# KiCad board panel_32x32_1515_r0.1.kicad_pcb (continued)
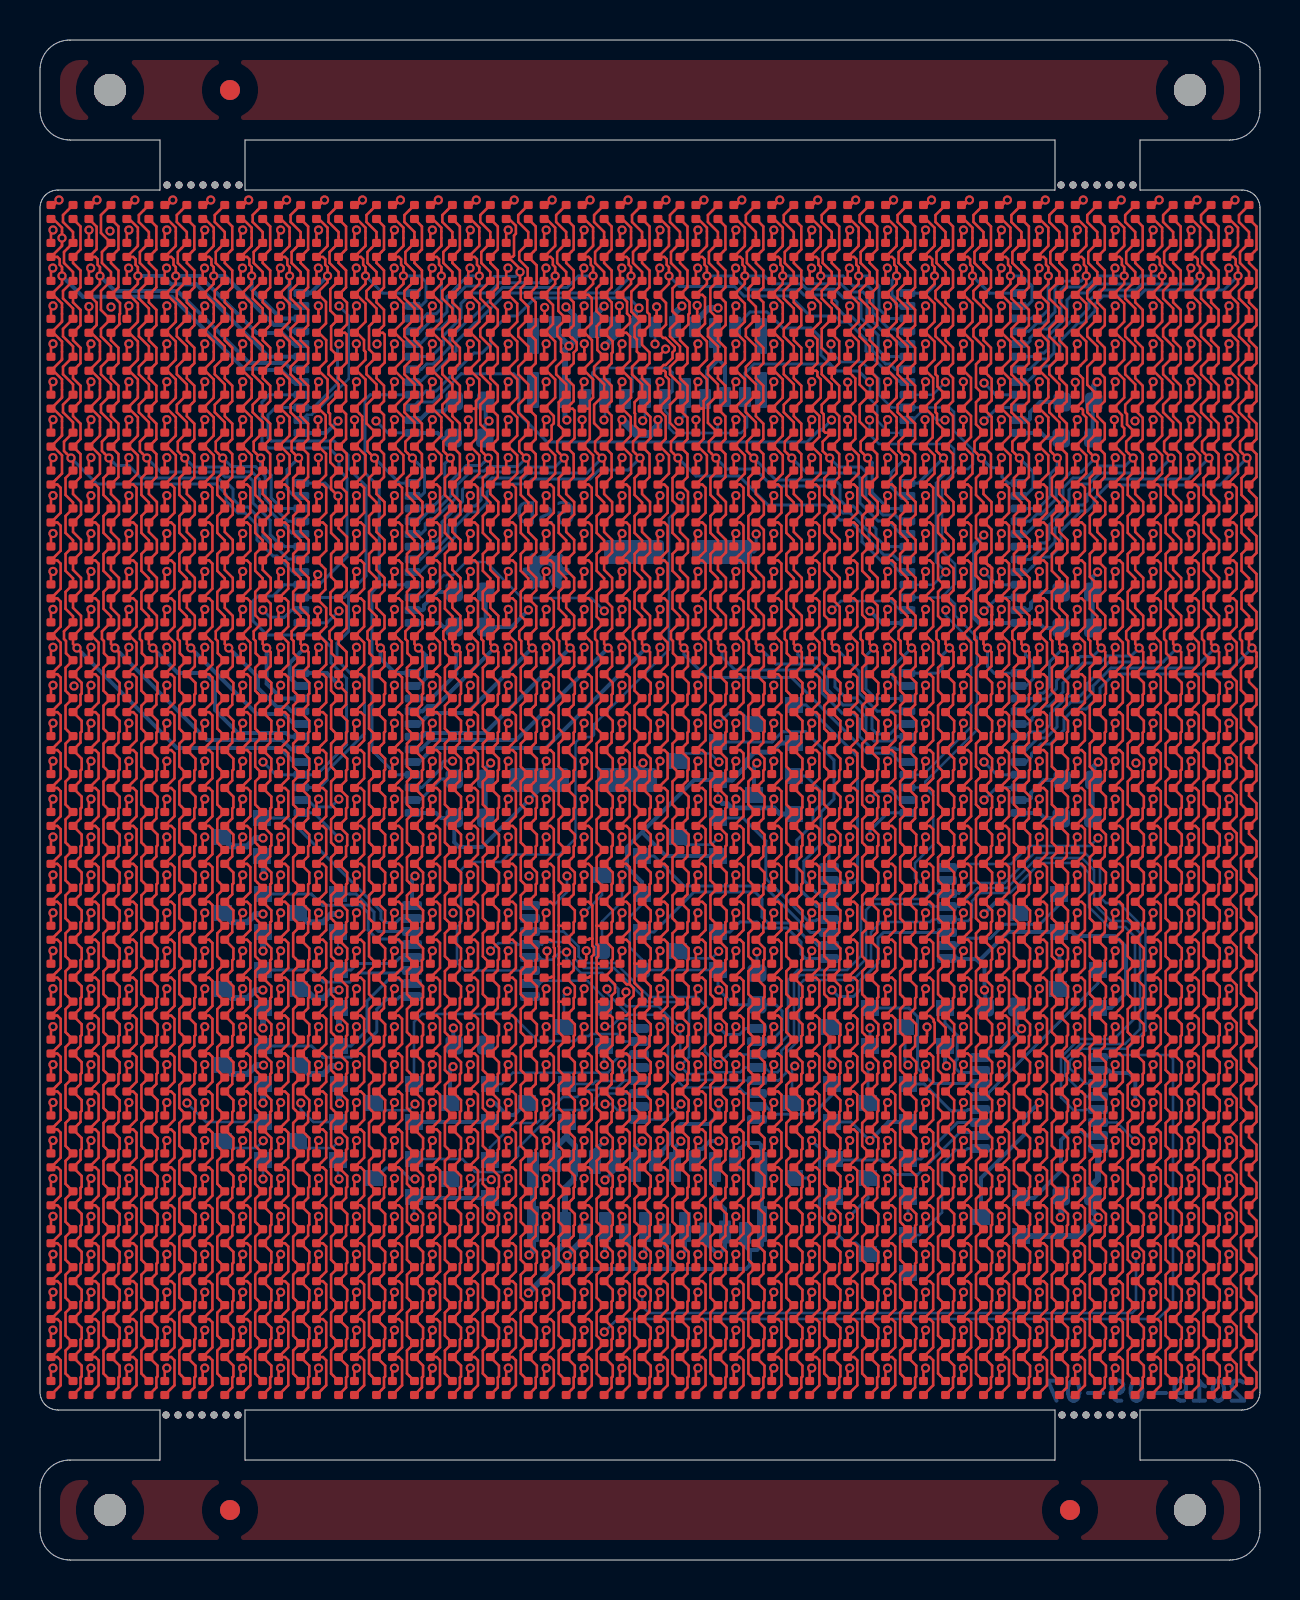
[diagram p0: board, top side]
## Routing (per net, layer and track width the routed paths; a pad name or vN(x,y) marks a point on that pad's centre or on a via; arc(x,y) is an arc through that point) (continued)
Net-(Q28-Pad1): length 4.4
  Bottom w0.15: Q28.1 44.05,20.05 45.88,21.88 U4.3
Net-(Q29-Pad1): length 4.2
  Bottom w0.15: Q29.1 44.21,23.8 45.55,22.46 46.34,22.46 46.4,22.53 47,22.53
Net-(Q30-Pad1): length 8.9
  Bottom w0.15: U4.5 47.24,23.17 52.9,28.83 Q30.1
Net-(Q31-Pad1): length 8.6
  Bottom w0.15: 47,23.83 44.64,23.83 43.88,24.58 43.88,27.16 43.45,27.6 Q31.1
Net-(Q32-Pad1): length 4.7
  Bottom w0.15: U4.7 46.9,24.38 45.98,24.38 45.78,24.58 45.78,24.96 45.86,25.05 45.86,26.23 45.25,26.85 Q32.1
Net-(R1-Pad1): length 2.5
  Bottom w0.15: U5.23 18.69,38.05 19.05,38.05 20.05,39.05 R1.1
Net-(R2-Pad1): length 2.7
  Bottom w0.2: R2.1 50.2,39 49.55,38.35 49.55,38.11 49.43,37.99 U6.23
Net-(R3-Pad1): length 2.6
  Bottom w0.2: U7.23 19.13,47.49 19.2,47.56 19.2,47.73 19.87,48.4 R3.1
Net-(R4-Pad1): length 2.6
  Bottom w0.2: U8.23 49.43,47.49 49.55,47.61 49.55,47.85 50.1,48.4 R4.1
Net-(R5-Pad1): length 2.5
  Bottom w0.2: U9.23 18.97,56.99 19.42,57.44 20.2,57.44 R5.1
Net-(R6-Pad1): length 2.7
  Bottom w0.2: R6.1 50.01,57.9 49.5,57.39 49.5,57.06 49.43,56.99 U10.23
Net-(U1-Pad9): length 23.6
  In2.Cu w0.127: v1(28.35,28.55) 27.75,27.95 26,27.95 25.9,28.05 25.9,29.27 26.8,30.17 26.8,33.75 v1(26.35,34.2)
  Bottom w0.127: U2.14 35.25,23.33 34.95,23.62 32.21,23.62 31.4,24.44 31.4,26.83 30.97,27.27 29.43,27.27 28.35,28.35 v1(28.35,28.55) ; U1.9 24.93,32.72 25.05,32.85 25.8,32.85 26.35,33.4 v1(26.35,34.2)
Net-(U2-Pad9): length 16.8
  In1.Cu w0.15: v1(33.93,26.64) 34.75,27.45 38.55,27.45 v1(39.6,28.5)
  Bottom w0.15: U3.14 42.18,31.38 41.9,31.1 41.9,29.85 41.05,29 41.05,28.55 40.67,28.17 39.93,28.17 v1(39.6,28.5) ; U2.9 35.28,26.58 34.98,26.27 34.3,26.27 v1(33.93,26.64)
Net-(U3-Pad9): length 27.8
  In2.Cu w0.127: v1(54.77,20.95) 55.2,21.38 55.2,33.25 55.05,33.4 53.1,33.4 52.9,33.6 v1(52.9,36.1)
  Bottom w0.127: U4.14 53.84,21.88 v1(54.77,20.95) ; v1(52.9,36.1) 52.5,35.7 49.45,35.7 48.55,34.8 46.05,34.8 45.88,34.62 U3.9
Net-(U5-Pad22): length 27.1
  In1.Cu w0.15: v1(20.63,39.95) 20.63,39.62 21.1,39.15 41,39.15 41.5,38.65 v1(41.5,38.05)
  Bottom w0.15: v1(41.5,38.05) 41.89,38.44 42.56,38.44 43.01,37.99 U6.2 ; U5.22 19.1,38.63 20.06,39.59 20.06,39.81 20.2,39.95 v1(20.63,39.95)
Net-(U7-Pad22): length 28.3
  In1.Cu w0.127: v1(39.6,47.5) 39.6,48.1 39.35,48.35 28.55,48.35 28.2,48 28.2,47.46 v1(28.21,47.45)
  Bottom w0.127: U8.2 43.01,47.49 42.55,47.95 40.05,47.95 v1(39.6,47.5) ; U7.22 18.65,48.15 19.1,48.15 20.2,49.25 20.65,49.25 21.3,49.9 22.3,49.9 24.1,48.1 27.56,48.1 v1(28.21,47.45)
Net-(U10-Pad2): length 33.1
  In2.Cu w0.127: v1(45.25,57) 44.65,56.4 39.85,56.4 39.58,56.67 v1(39.58,57)
  Bottom w0.127: U10.2 43.43,57.05 43.7,57.05 44.05,57.4 44.44,57.4 44.83,57 v1(45.25,57)
  Bottom w0.15: v1(39.58,57) 39.08,56.5 38.95,56.5 38.35,55.9 25.35,55.9 23.95,57.3 23.95,59.05 23.69,59.31 21.05,59.31 19.64,57.9 18.9,57.9 U9.22

## Copper pours and planes (outline as drawn; the poured copper is in the pictures)
GND on In2.Cu: 0.25,68.25 60.7,68.2 60.7,7.8 0.3,7.8
(no net) on Top: 60,1 60,4 1,4 1,1
(no net) on Top: 1,75 1,72 60,72 60,75
(no net) on Bottom: 60,1 60,4 1,4 1,1
(no net) on Bottom: 1,75 1,72 60,72 60,75
(no net) on In1.Cu: 60,1 60,4 1,4 1,1
(no net) on In1.Cu: 1,75 1,72 60,72 60,75
(no net) on In2.Cu: 60,1 60,4 1,4 1,1
(no net) on In2.Cu: 1,75 1,72 60,72 60,75
/ledArray/sheet5D7D53E6/COM on In1.Cu: 0.25,53.97 0.25,52.37 60.75,52.37 60.75,53.97
/ledArray/sheet5D7D53F6/COM on In1.Cu: 0.25,52.08 0.25,50.48 60.75,50.48 60.75,52.08
/ledArray/sheet5D7D542A/COM on In1.Cu: 0.25,46.39 0.25,44.79 60.75,44.79 60.75,46.39
/ledArray/sheet5D7D543A/COM on In1.Cu: 0.25,44.49 0.25,42.89 60.75,42.89 60.75,44.49
/ledArray/sheet5D7D544C/COM on In1.Cu: 0.25,42.59 0.25,40.99 60.75,40.99 60.75,42.59
/ledArray/sheet5D7D545C/COM on In1.Cu: 0.25,40.7 0.25,39.1 60.75,39.1 60.75,40.7
/ledArray/sheet5D7D5408/COM on In1.Cu: 0.25,50.18 0.25,48.58 60.75,48.58 60.75,50.18
/ledArray/sheet5D7D5419/COM on In1.Cu: 0.25,48.28 0.25,46.68 60.75,46.68 60.75,48.28
/ledArray/sheet5D7371BF/COM on In1.Cu: 0.65,68.25 0.65,67.55 60.2,67.55 60.2,68.25
/ledArray/sheet5D7371D0/COM on In1.Cu: 0.25,67.25 0.25,65.65 60.75,65.65 60.75,67.25
/ledArray/sheet5D7371E3/COM on In1.Cu: 0.25,65.35 0.25,63.75 60.75,63.75 60.75,65.35
/ledArray/sheet5D7371F5/COM on In1.Cu: 0.25,63.46 0.25,61.86 60.75,61.86 60.75,63.46
/ledArray/sheet5D7853C8/COM on In1.Cu: 0.25,38.8 0.25,37.2 60.75,37.2 60.75,38.8
/ledArray/sheet5D7853C9/COM on In1.Cu: 0.25,36.9 0.25,35.3 60.75,35.3 60.75,36.9
/ledArray/sheet5D7853CA/COM on In1.Cu: 0.25,35 0.25,33.4 60.75,33.4 60.75,35
/ledArray/sheet5D7853CB/COM on In1.Cu: 0.25,33.11 0.25,31.51 60.75,31.51 60.75,33.11
/ledArray/sheet5D7853CC/COM on In1.Cu: 0.25,31.21 0.25,29.61 60.75,29.61 60.75,31.21
/ledArray/sheet5D7853CD/COM on In1.Cu: 0.25,29.31 0.25,27.71 60.75,27.71 60.75,29.31
/ledArray/sheet5D7853CE/COM on In1.Cu: 0.25,27.42 0.25,25.82 60.75,25.82 60.75,27.42
/ledArray/sheet5D7853CF/COM on In1.Cu: 0.25,25.52 0.25,23.92 60.75,23.92 60.75,25.52
/ledArray/sheet5D7955BF/COM on In1.Cu: 0.25,23.62 0.25,22.02 60.75,22.02 60.75,23.62
/ledArray/sheet5D7955CE/COM on In1.Cu: 0.25,21.73 0.25,20.13 60.75,20.13 60.75,21.73
/ledArray/sheet5D7955E0/COM on In1.Cu: 0.25,19.83 0.25,18.23 60.75,18.23 60.75,19.83
/ledArray/sheet5D7955F1/COM on In1.Cu: 0.25,17.93 0.25,16.33 60.75,16.33 60.75,17.93
/ledArray/sheet5D73722B/COM on In1.Cu: 0.25,57.77 0.25,56.17 60.75,56.17 60.75,57.77
/ledArray/sheet5D73723C/COM on In1.Cu: 0.25,55.87 0.25,54.27 60.75,54.27 60.75,55.87
/ledArray/sheet5D737207/COM on In1.Cu: 0.25,61.56 0.25,59.96 60.75,59.96 60.75,61.56
/ledArray/sheet5D737218/COM on In1.Cu: 0.25,59.66 0.25,58.06 60.75,58.06 60.75,59.66
/ledArray/sheet5D795602/COM on In1.Cu: 0.25,16.04 0.25,14.44 60.75,14.44 60.75,16.04
/ledArray/sheet5D795612/COM on In1.Cu: 0.25,14.14 0.25,12.54 60.75,12.54 60.75,14.14
/ledArray/sheet5D795624/COM on In1.Cu: 0.25,12.24 0.25,10.64 60.75,10.64 60.75,12.24
/ledArray/sheet5D795634/COM on In1.Cu: 0.25,10.35 0.25,7.85 60.75,7.85 60.75,10.35
P_LED on Bottom: 0.25,68.25 60.7,68.2 60.7,7.8 0.3,7.8

## Text on the board
Bottom: 2019-09-07
B.SilkS: 2019-09-07
